# Altium PCB radioboard.PcbDoc (part 7 of 9)
Units mm, origin at the board's own origin, x right, y up, seen from the top; angles counter-clockwise.
Board outline 69.97 x 64.48 mm, 4 copper layers (Top Layer, Signal Layer 1, Signal Layer 2, Bottom Layer), stack 1.56 mm thick; 258 components, 165 nets, 993 pads, 10021 vias.
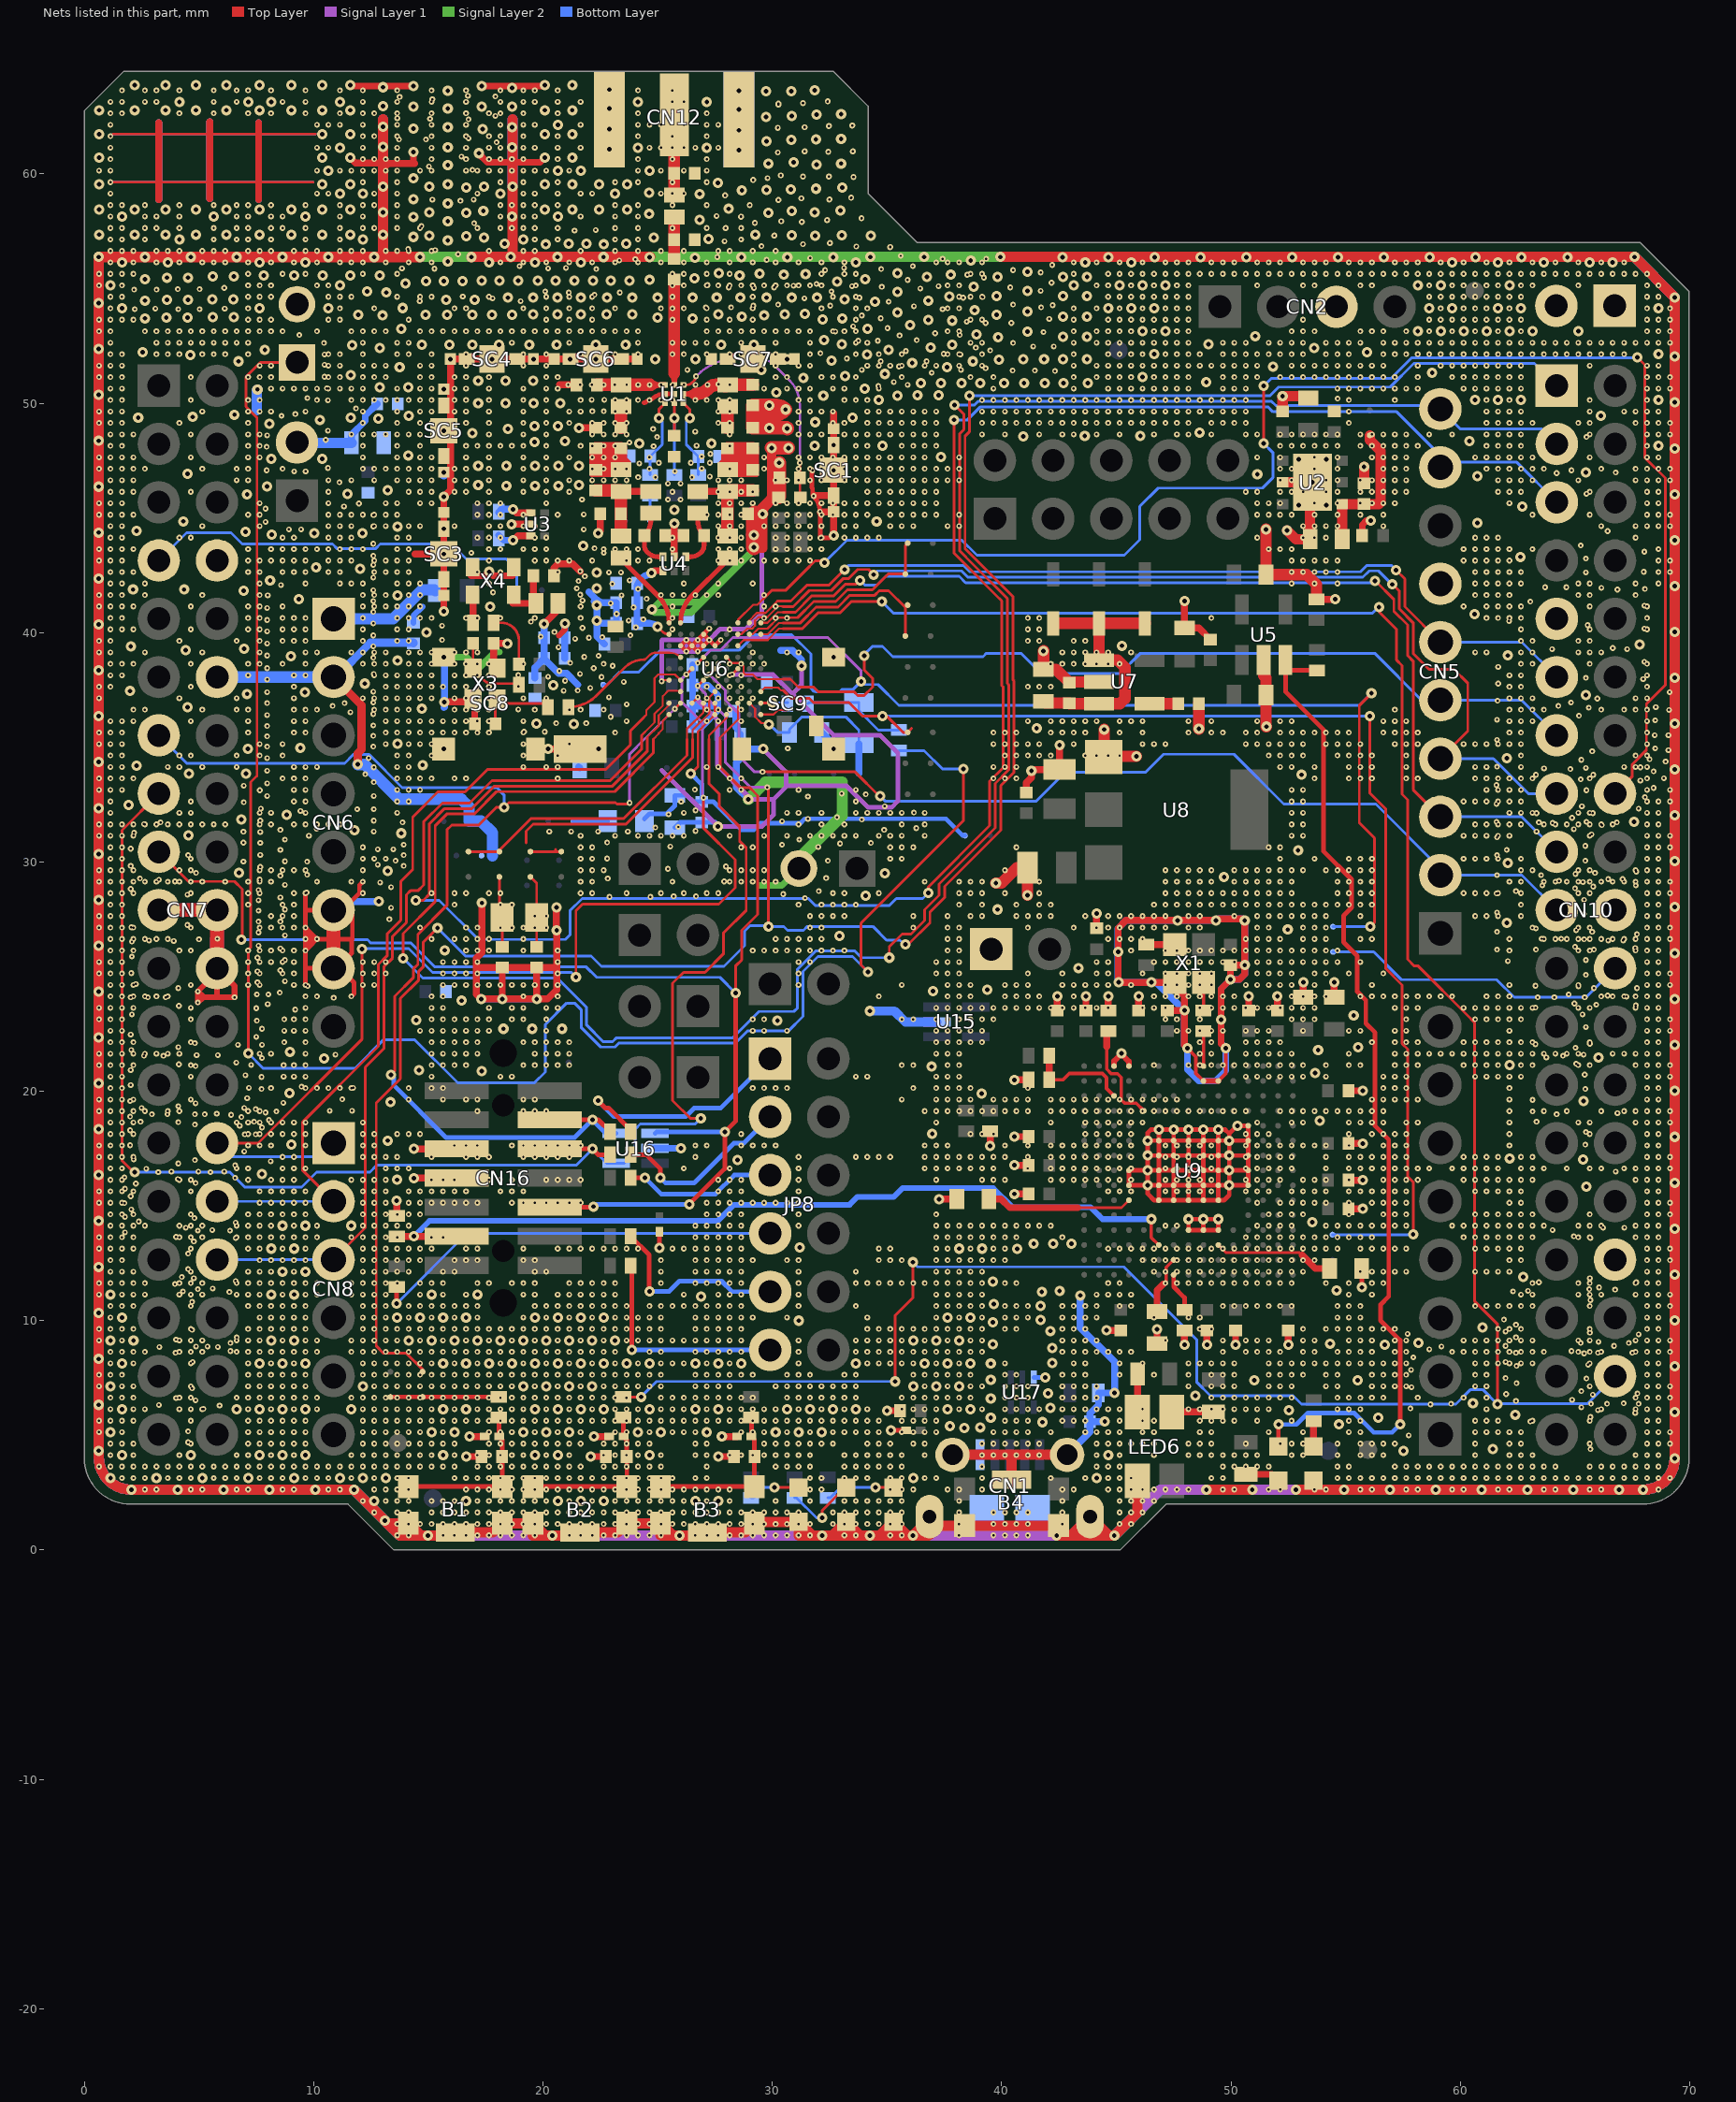
[diagram p9: the nets of this part, all layers, seen from the top]

## Via types
v1: diameter 0.25, hole 0.1, Signal Layer 2 to Bottom Layer, tented bottom, 4578 vias
v2: diameter 0.25, hole 0.1, Top Layer to Signal Layer 1, tented top, 4140 vias
v3: diameter 0.45, hole 0.2, Top Layer to Bottom Layer, tented both sides, 1295 vias
v4: diameter 0.25, hole 0.1, Top Layer to Signal Layer 1, tented both sides, 8 vias

## Nets (pads, with @x,y where several pads share a name; then routed paths per layer and width w, separated by ;. In a path a pad name is that pad's centre, name@x,y a point inside that pad or via, vN(x,y) a via of type N, cw(c..) or ccw(c..) an arc to the next point about the centre after c; other vN are vias at no path point) (continued)
GND: (continued)
  other v2: 47.643,54.138 48.143,54.138 59.143,54.138 62.143,54.138 68.143,54.138 69.143,54.138 27.1,54.175 28.2,54.175 41.725,54.175 36.175,54.225 29.175,54.25 32.525,54.25 42.225,54.275 30.25,54.3 40.5,54.3 35.075,54.425 14.625,54.45 19.025,54.45 17.8,54.575 31.4,54.575 33.8,54.6 38.325,54.6 39.175,54.625 1.143,54.638 1.643,54.638 7.143,54.638 7.643,54.638 10.643,54.638 11.143,54.638 11.643,54.638 16.5,54.65 44.643,54.638 45.143,54.638 45.643,54.638 46.143,54.638 46.643,54.638 47.143,54.638 47.643,54.638 48.143,54.638 58.643,54.638 59.143,54.638 62.143,54.638 62.643,54.638 68.143,54.638 68.643,54.638 22.25,54.725 21.125,54.825 23.35,54.825 20.1,54.875 32.575,54.875 41.7,54.9 2.175,54.95 3.15,54.95 4.075,54.975 5.025,54.975 36.45,55 6.1,55.025 29.2,55.025 28.1,55.05 30.075,55.05 40.375,55.05 34.775,55.075 33.475,55.1 37.25,55.1 0.643,55.138 1.643,55.138 7.643,55.138 8.143,55.138 10.643,55.138 30.925,55.125 44.143,55.138 44.643,55.138 45.643,55.138 46.643,55.138 47.643,55.138 48.143,55.138 51.143,55.138 53.143,55.138 55.643,55.138 56.143,55.138 58.643,55.138 62.643,55.138 63.143,55.138 68.143,55.138 68.643,55.138 27.175,55.15 31.925,55.2 42.175,55.25 35.9,55.375 39.225,55.475 38.5,55.6 0.643,55.638 1.143,55.638 1.643,55.638 2.143,55.638 8.643,55.638 9.643,55.638 12.143,55.638 43.143,55.638 44.643,55.638 45.143,55.638 45.643,55.638 46.143,55.638 46.643,55.638 47.143,55.638 47.643,55.638 48.143,55.638 48.643,55.638 49.143,55.638 49.643,55.638 50.143,55.638 50.643,55.638 51.143,55.638 51.643,55.638 52.143,55.638 52.643,55.638 53.143,55.638 53.643,55.638 54.143,55.638 54.643,55.638 55.143,55.638 55.643,55.638 56.143,55.638 56.643,55.638 57.143,55.638 57.643,55.638 58.143,55.638 58.643,55.638 59.143,55.638 59.643,55.638 61.643,55.638 62.143,55.638 62.643,55.638 63.143,55.638 63.643,55.638 64.143,55.638 64.643,55.638 65.143,55.638 65.643,55.638 66.143,55.638 66.643,55.638 67.143,55.638 67.643,55.638 68.143,55.638 41.7,55.7 32.3,55.8 40.5,55.8 22.325,55.85 34.75,55.85 13.85,55.875 15.269,55.864 20.225,55.875 21,55.9 33.125,55.9 18.975,55.975 36.125,55.975 42.2,56.025 1.143,56.138 2.143,56.138 3.143,56.138 4.143,56.138 5.143,56.138 5.643,56.138 6.143,56.138 7.143,56.138 8.143,56.138 9.143,56.138 10.143,56.138 11.143,56.138 11.643,56.138 12.143,56.138 13.143,56.138 43.143,56.138 44.143,56.138 45.143,56.138 46.143,56.138 47.143,56.138 47.643,56.138 48.143,56.138 49.143,56.138 49.643,56.138 50.143,56.138 51.143,56.138 51.643,56.138 52.143,56.138 53.143,56.138 53.643,56.138 54.143,56.138 55.143,56.138 55.643,56.138 56.143,56.138 57.143,56.138 57.643,56.138 58.143,56.138 59.143,56.138 60.143,56.138 61.143,56.138 62.143,56.138 63.143,56.138 64.143,56.138 65.143,56.138 66.143,56.138 67.143,56.138 23.325,56.225 29.75,56.25 24.025,56.275 37.425,56.3 39.325,56.3 31.65,56.325 27.6,56.375 35.6,56.425 16.3,56.497 1.143,56.638 1.643,56.638 2.143,56.638 3.143,56.638 3.643,56.638 4.143,56.638 5.143,56.638 5.643,56.638 6.143,56.638 7.143,56.638 7.643,56.638 8.143,56.638 9.143,56.638 9.643,56.638 10.143,56.638 11.143,56.638 11.643,56.638 12.143,56.638 13.143,56.638 13.643,56.638 15.3,56.675 14.125,56.725 35.136,56.801 33.661,56.826 29.525,56.85 31.336,56.926 32.511,56.976 27.918,57.063 1.143,57.138 1.643,57.138 2.643,57.138 5.643,57.138 6.643,57.138 7.143,57.138 8.143,57.138 9.643,57.138 11.143,57.138 19.643,57.138 20.643,57.138 23.143,57.138 24.143,57.138 28.643,57.138 30.086,57.301 21.375,57.525 22.3,57.55 27.961,57.626 1.143,57.638 1.643,57.638 2.643,57.638 3.143,57.638 4.143,57.638 5.643,57.638 6.643,57.638 7.143,57.638 8.143,57.638 8.643,57.638 9.643,57.638 11.143,57.638 12.143,57.638 12.643,57.638 13.643,57.638 18.143,57.638 18.643,57.638 19.143,57.638 19.643,57.638 20.643,57.638 23.143,57.638 24.143,57.638 28.643,57.638 14.7,57.725 17,57.85 29.236,57.851 31.286,57.901 30.386,57.926 32.386,57.976 33.886,58.051 1.143,58.138 2.643,58.138 3.143,58.138 4.143,58.138 6.643,58.138 7.143,58.138 8.143,58.138 8.643,58.138 11.143,58.138 12.143,58.138 13.643,58.138 18.143,58.138 19.143,58.138 19.643,58.138 21.643,58.138 23.143,58.138 24.143,58.138 28.636,58.126 27.568,58.163 1.143,58.638 1.643,58.638 2.643,58.638 4.143,58.638 5.643,58.638 6.643,58.638 7.143,58.638 8.143,58.638 9.643,58.638 11.143,58.638 12.143,58.638 12.643,58.638 13.643,58.638 18.143,58.638 18.643,58.638 19.143,58.638 19.643,58.638 20.643,58.638 23.143,58.638 24.143,58.638 27.136,58.626 29.011,58.626 16.4,58.825 30.261,58.851 15.175,58.875 16.975,58.875 32.486,58.876 31.261,58.926 33.436,58.951 27.936,59.051 1.143,59.138 10.143,59.138 10.643,59.138 12.643,59.138 13.643,59.138 19.143,59.138 19.643,59.138 20.643,59.138 21.643,59.138 22.143,59.138 1.143,59.638 12.143,59.638 13.643,59.638 18.143,59.638 19.143,59.638 20.643,59.638 23.143,59.638 24.143,59.638 29.161,59.726 29.793,59.813 33.536,59.851 31.336,59.876 32.461,59.876 30.361,59.926 0.643,60.138 1.143,60.138 10.143,60.138 11.143,60.138 11.643,60.138 12.143,60.138 12.643,60.138 13.143,60.138 13.643,60.138 17.643,60.138 18.143,60.138 18.643,60.138 19.143,60.138 19.643,60.138 20.143,60.138 21.143,60.138 24.143,60.138 27.143,60.138 16.925,60.175 15.025,60.325 1.143,60.638 12.143,60.638 12.643,60.638 13.143,60.638 13.643,60.638 17.643,60.638 18.143,60.638 18.643,60.638 19.143,60.638 20.643,60.638 24.143,60.638 27.143,60.638 16.45,60.75 30.236,60.926 32.436,60.951 31.411,60.976 33.511,60.976 1.143,61.138 10.143,61.138 10.643,61.138 12.143,61.138 19.143,61.138 19.643,61.138 20.643,61.138 21.643,61.138 24.643,61.138 26.643,61.138 17.975,61.375 13.725,61.5 14.9,61.5 16.75,61.55 1.143,61.638 12.143,61.638 12.643,61.638 19.143,61.638 20.643,61.638 24.143,61.638 27.143,61.638 30.236,62.001 31.411,62.026 32.461,62.076 33.486,62.101 1.143,62.138 10.143,62.138 10.643,62.138 11.143,62.138 12.143,62.138 19.143,62.138 19.643,62.138 21.643,62.138 24.143,62.138 24.643,62.138 27.143,62.138 16.75,62.375 15.075,62.4 13.65,62.425 17.925,62.525 1.143,62.638 1.643,62.638 4.143,62.638 5.643,62.638 7.143,62.638 8.143,62.638 9.643,62.638 11.143,62.638 12.143,62.638 12.643,62.638 19.143,62.638 20.643,62.638 24.143,62.638 27.143,62.638 30.268,63.013 31.336,63.076 1.643,63.138 2.643,63.138 3.143,63.138 5.643,63.138 6.643,63.138 8.643,63.138 9.643,63.138 12.143,63.138 19.143,63.138 19.643,63.138 20.643,63.138 21.643,63.138 32.411,63.151 15.175,63.25 13.75,63.35 16.725,63.4 17.925,63.375 2.643,63.638 3.143,63.638 4.143,63.638 5.643,63.638 6.643,63.638 7.143,63.638 8.143,63.638 9.643,63.638 11.143,63.638 12.143,63.638 19.143,63.638 19.643,63.638 20.643,63.638 24.143,63.638
  other v3: 12.645,2.14 16.645,2.14 20.645,2.14 21.645,2.14 22.645,2.14 26.645,2.14 27.645,2.14 4.077,2.623 6.077,2.623 8.077,2.623 10.077,2.623 54.926,2.623 56.926,2.623 58.926,2.623 60.926,2.623 62.926,2.623 64.926,2.623 66.926,2.623 1.145,3.14 3.145,3.14 5.145,3.14 7.145,3.14 9.145,3.14 11.145,3.14 12.145,3.14 13.145,3.14 36.145,3.14 44.145,3.14 1.645,4.14 4.645,4.14 7.645,4.14 8.645,4.14 9.645,4.14 15.645,4.14 19.645,4.14 20.645,4.14 24.645,4.14 44.645,4.14 0.619,4.33 57.525,4.325 61.425,4.4 1.145,5.14 15.145,5.14 16.145,5.14 19.145,5.14 20.145,5.14 21.145,5.14 24.145,5.14 25.145,5.14 27.145,5.14 30.145,5.14 31.145,5.14 32.145,5.14 38.375,5.325 39.075,5.35 37.75,5.4 54.7,5.475 41.775,5.575 39.525,5.775 56.425,5.775 62.4,5.9 69.349,6.015 52.525,6.1 1.645,6.14 6.645,6.14 7.645,6.14 8.645,6.14 9.645,6.14 11.645,6.14 15.645,6.14 16.645,6.14 19.645,6.14 20.645,6.14 21.645,6.14 22.645,6.14 24.645,6.14 26.645,6.14 27.645,6.14 30.645,6.14 31.645,6.14 32.645,6.14 33.645,6.14 37.645,6.14 38.645,6.14 42.125,6.2 0.619,6.33 60.55,6.4 39.525,6.6 48.45,6.725 42.025,6.825 1.145,7.14 12.145,7.14 19.145,7.14 20.145,7.14 21.145,7.14 22.145,7.14 36.145,7.14 37.145,7.14 38.145,7.14 51.025,7.4 55.525,7.4 39.525,7.425 69.349,8.015 39.525,8.125 1.645,8.14 7.645,8.14 8.645,8.14 9.645,8.14 15.645,8.14 16.645,8.14 17.645,8.14 18.645,8.14 19.645,8.14 20.645,8.14 21.645,8.14 22.645,8.14 23.645,8.14 24.645,8.14 26.645,8.14 27.645,8.14 28.645,8.14 33.645,8.14 36.645,8.14 37.645,8.14 38.645,8.14 42.2,8.15 0.619,8.33 42.2,8.8 56.7,8.95 39.625,8.975 54.325,9 58.175,9.025 1.145,9.14 2.145,9.14 8.145,9.14 9.145,9.14 14.145,9.14 15.145,9.14 16.145,9.14 17.145,9.14 18.145,9.14 19.145,9.14 20.145,9.14 21.145,9.14 22.145,9.14 23.145,9.14 36.145,9.14 37.145,9.14 38.145,9.14 42.125,9.55 60.975,9.7 39.625,9.925 31.15,10 41.7,10.025 69.349,10.015 1.645,10.14 13.645,10.14 14.645,10.14 15.645,10.14 16.645,10.14 19.645,10.14 20.645,10.14 21.645,10.14 22.645,10.14 37.645,10.14 38.645,10.14 0.619,10.33 41.7,10.65 39.65,10.725 26.9,11.05 1.145,11.14 8.145,11.14 9.145,11.14 15.145,11.14 17.145,11.14 41.75,11.25 42.525,11.3 54.6,11.325 39.625,11.7 62.75,11.9 69.349,12.015 8.645,12.14 9.645,12.14 0.621,12.345 40.675,13.125 8.145,13.14 9.145,13.14 38.145,13.14 39.145,13.14 31.187,13.2 41.4,13.35 42.25,13.35 43.05,13.35 69.349,14.015 8.645,14.14 9.645,14.14 11.645,14.14 53.55,14.3 0.621,14.345 65.5,15.85 69.349,16.015 13.645,16.14 0.621,16.345 7.75,16.4 28.475,17.013 65.35,17.025 62.15,17.075 9.025,17.675 13.225,17.85 69.349,18.015 36.975,18.15 0.621,18.345 53.875,18.725 13.35,19.525 65.375,19.575 39.125,19.9 8.95,19.925 69.349,20.015 0.621,20.345 53.675,20.8 17.325,20.875 14.6,20.925 36.95,21.075 62.15,21.15 10.45,21.425 66.025,21.475 8.975,21.725 53.8,21.8 55.55,21.925 69.349,22.015 0.621,22.345 18.277,22.725 19.527,22.725 20.827,22.725 30.225,23.075 14.475,23.1 55.35,23.3 16.45,23.95 69.349,24.015 0.621,24.345 37,24.375 39.375,24.425 43.35,25.375 69.349,26.015 15.725,26.15 0.621,26.345 32.925,26.775 52.475,27.05 62.025,27.35 39.825,27.925 69.351,28.03 0.621,28.345 34.075,28.525 49.7,29.35 34.9,29.5 6.75,29.525 13.225,29.6 62.075,29.95 69.351,30.03 0.621,30.345 52.925,30.5 4.55,31.15 13.825,31.25 11.775,31.375 67.575,31.75 6.85,31.85 69.351,32.03 8.825,32.05 0.621,32.345 1.925,32.475 53.075,33.8 4.557,33.85 7.05,33.85 69.351,34.03 2.275,34.2 14.75,34.225 0.623,34.36 62.025,34.525 7.125,34.925 15.675,34.925 9.425,34.975 13.65,35.15 41.525,35.825 21.338,36.013 19.713,36.037 69.351,36.03 0.623,36.36 14.725,36.675 4.5,36.75 65.475,37.275 7.1,37.325 9.625,37.4 2,37.45 20.45,37.7 12.225,37.775 69.351,38.03 0.623,38.36 13.65,38.775 32.675,38.925 9,38.975 62.075,39 4.425,39.225 6.975,39.3 2.025,39.4 45.25,39.425 67.825,39.475 14.925,40 69.351,40.03 0.623,40.36 60.625,40.8 17.7,41.125 22.35,41.2 9.35,41.45 13.65,41.625 6.95,41.825 2.125,41.875 4.35,41.875 22.35,41.925 69.351,42.03 8.1,42.275 0.623,42.36 22.35,42.625 12.025,42.775 10.1,42.85 62.625,43.3 21.75,43.775 69.351,44.03 8.175,44.275 10.025,44.325 12.125,44.325 0.623,44.36 7.025,44.4 2.275,44.425 13.65,44.625 25.725,44.75 60.75,44.775 4.325,44.85 34.55,44.85 25.725,45.35 62.7,45.5 52.95,45.55 54.15,45.55 7.1,46.025 11.475,46.05 69.351,46.03 13.225,46.2 0.623,46.36 7.975,46.375 18.4,46.4 19.65,46.4 20.675,46.4 17.175,46.425 21.575,46.425 60.75,46.825 51.15,46.9 4.5,46.925 65.475,46.975 17.175,47.275 18.4,47.275 19.65,47.275 20.675,47.275 21.575,47.275 52.95,47.55 54.15,47.55 8.15,47.575 10.375,47.575 37.35,47.65 14.125,47.725 69.351,48.03 31.85,48.15 34.8,48.15 68.646,48.14 24.2,48.25 27.35,48.25 19.625,48.3 0.623,48.36 20.95,48.35 60.4,48.35 40.95,48.55 43.625,48.575 46.05,48.575 16.925,48.7 48.625,48.725 15.675,48.8 18.475,48.875 19.625,49 20.65,49 8.075,49.1 31.875,49.175 10.275,49.275 12.825,49.325 2.35,49.375 11.625,49.375 33.5,49.375 4.725,49.4 14.15,49.45 66.125,49.45 6.55,49.5 17.175,50 18.375,50 19.6,50 20.75,50 69.353,50.045 34.645,50.14 60.646,50.14 61.646,50.14 62.646,50.14 68.646,50.14 32.225,50.325 35.45,50.325 0.623,50.36 36.325,50.35 37.25,50.35 30.175,50.475 15.675,50.61 34.025,50.625 12.875,50.7 14.125,50.7 36.475,50.875 37.35,50.875 38.25,50.875 39.075,50.875 40.1,50.875 40.975,50.875 41.875,50.875 42.7,50.875 43.75,50.875 48.925,50.925 17.175,50.975 18.375,50.975 19.575,50.975 31.35,51.1 46.145,51.14 33.175,51.175 11.625,51.225 34.9,51.275 58.775,51.325 29.525,51.45 13.75,51.575 37.625,51.575 51.825,51.6 36.1,51.75 6.725,51.825 38.75,51.825 32.575,51.85 39.875,51.9 17.775,51.925 19.585,51.925 22.3,51.925 24.9,51.925 26.65,51.925 30.65,51.925 40.95,51.925 41.85,51.925 42.675,51.925 43.725,51.925 69.353,52.045 4.625,52.1 34.125,52.125 46.645,52.14 68.646,52.14 2.55,52.225 55.925,52.225 7.875,52.325 35.075,52.325 0.623,52.36 12.875,52.4 53.625,52.4 36.9,52.425 11.675,52.525 14.725,52.55 15.925,52.55 16.925,52.55 18.075,52.55 19.4,52.55 20.6,52.55 22.3,52.55 23.6,52.55 27.775,52.55 29.2,52.55 37.85,52.55 33.025,52.575 49.025,52.575 32.25,52.75 39.85,52.875 42.675,52.9 43.725,52.9 51.05,52.925 38.9,53 41.125,53.125 46.145,53.14 47.145,53.14 58.146,53.14 59.146,53.14 60.146,53.14 61.146,53.14 62.146,53.14 63.146,53.14 65.146,53.14 13.825,53.25 34.15,53.25 36,53.4 37.85,53.6 36.8,53.625 32.2,53.65 2.65,53.7 26.525,53.7 33.05,53.7 3.575,53.725 4.5,53.725 25,53.725 5.6,53.75 6.525,53.75 28.675,53.775 42.675,53.775 43.725,53.775 13,53.825 29.65,53.825 11.95,53.85 14.875,53.85 15.825,53.85 16.925,53.85 17.775,53.85 18.65,53.85 19.575,53.875 20.625,53.875 21.65,53.875 22.775,53.875 23.9,53.875 27.65,53.875 30.55,53.875 39.775,53.85 31.425,53.9 35.45,53.95 41.125,54 38.825,54.05 1.645,54.14 7.645,54.14 10.645,54.14 13.875,54.15 44.645,54.14 45.645,54.14 46.645,54.14 58.646,54.14 59.646,54.14 61.646,54.14 62.646,54.14 68.646,54.14 0.623,54.36 34.475,54.425 2.65,54.475 36.8,54.475 3.6,54.5 4.525,54.5 15.775,54.5 17.025,54.5 5.575,54.525 6.5,54.525 33.15,54.525 18.475,54.6 19.575,54.6 20.625,54.6 21.65,54.6 22.8,54.6 23.9,54.6 25,54.6 26.525,54.6 27.575,54.6 28.6,54.6 29.75,54.6 30.85,54.6 31.95,54.6 37.725,54.65 39.775,54.675 42.675,54.675 43.725,54.675 13.175,54.825 35.45,54.85 12.325,54.875 41.125,54.9 38.775,55.075 1.145,55.14 11.145,55.14 43.145,55.14 45.145,55.14 46.145,55.14 47.145,55.14 58.146,55.14 59.146,55.14 62.146,55.14 14,55.225 32.825,55.3 14.9,55.325 15.675,55.325 16.5,55.325 17.325,55.35 18.1,55.35 18.925,55.35 19.775,55.35 20.55,55.35 21.375,55.35 22.175,55.35 22.95,55.35 23.775,55.35 24.65,55.375 2.65,55.4 34.05,55.4 3.6,55.475 4.525,55.475 26.6,55.45 36.75,55.5 39.825,55.5 42.675,55.5 43.725,55.5 5.6,55.525 6.525,55.525 7.825,55.575 9.15,55.575 10.4,55.575 11.6,55.575 12.875,55.575 28.575,55.575 30.5,55.6 37.775,55.6 31.45,55.625 29.45,55.65 27.675,55.675 35.45,55.675 41.125,55.725 1.645,56.14 3.645,56.14 7.645,56.14 9.645,56.14 17.645,56.14 19.645,56.14 21.645,56.14 33.645,56.14 43.645,56.14 45.645,56.14 59.646,56.14 61.646,56.14 63.646,56.14 65.646,56.14 66.646,56.14 15.85,56.175 38.65,56.225 26.625,56.35 18.598,56.377 20.64,56.373 22.64,56.373 24.655,56.371 28.655,56.371 30.655,56.371 32.655,56.371 34.275,56.375 36.625,56.375 42.655,56.371 44.655,56.371 46.67,56.369 48.67,56.369 50.67,56.369 52.67,56.369 54.67,56.369 56.67,56.369 58.67,56.369 60.67,56.369 62.67,56.369 64.67,56.369 20.125,56.925 22.65,56.925 18.325,56.95 21.125,56.95 21.9,56.95 23.625,56.95 15.85,57.1 4.145,57.14 12.145,57.14 19.145,57.14 27.225,57.15 17.425,57.225 24.825,57.225 14.35,57.25 16.65,57.275 15.05,57.3 31.875,57.3 34.3,57.3 30.85,57.325 33.025,57.325 0.65,57.35 2.2,57.35 3.55,57.35 4.875,57.35 6.2,57.35 7.65,57.35 9.025,57.35 10.375,57.35 11.6,57.35 13.025,57.35 29.25,57.35 15.85,57.925 26.825,58 1.645,58.14 5.645,58.14 9.645,58.14 14.35,58.125 18.645,58.14 20.645,58.14 24.625,58.25 16.65,58.3 29.825,58.3 13.025,58.325 15.05,58.325 31.85,58.325 17.4,58.375 30.85,58.375 32.975,58.4 0.65,58.45 2.2,58.45 3.55,58.45 4.875,58.45 6.2,58.45 7.65,58.45 9.025,58.45 10.375,58.45 11.6,58.45 20.075,58.45 21.275,58.45 22.45,58.45 23.675,58.45 28.1,58.475 15.85,58.7 14.35,58.9 26.825,59.125 11.145,59.14 12.145,59.14 18.145,59.14 23.145,59.14 24.625,59.175 28.675,59.275 29.75,59.3 30.8,59.325 31.9,59.35 16.65,59.4 33.05,59.4 15.05,59.45 17.425,59.45 0.65,59.55 10.375,59.55 11.6,59.55 15.85,59.55 20.075,59.55 21.275,59.55 22.45,59.55 23.675,59.55 27.625,59.6 14.35,59.8 10.645,60.14 20.645,60.14 21.645,60.14 24.645,60.14 15.85,60.375 31.925,60.4 29.825,60.45 33,60.45 30.925,60.5 0.65,60.7 10.375,60.7 21.275,60.7 28.55,61.025 22.9,61.075 11.145,61.14 15.85,61.15 18.65,61.15 24.145,61.14 27.145,61.14 13.025,61.175 29.75,61.425 30.825,61.475 31.9,61.5 33,61.525 0.65,61.725 10.375,61.725 11.6,61.725 20.075,61.725 21.275,61.725 28.55,61.9 17.375,61.95 22.9,61.95 14.35,61.975 15.85,62.025 18.65,62.025 13.025,62.05 20.645,62.14 29.725,62.475 30.85,62.525 31.925,62.575 33,62.6 0.65,62.775 2.2,62.775 3.55,62.775 4.875,62.775 6.2,62.775 7.65,62.775 9.025,62.775 10.375,62.775 11.6,62.775 20.075,62.775 21.275,62.775 28.55,62.8 15.85,62.85 22.9,62.85 14.35,62.925 17.325,62.925 18.65,62.925 13.025,62.95 4.145,63.14 7.145,63.14 8.145,63.14 11.145,63.14 24.145,63.14 27.145,63.14 29.725,63.6 30.825,63.6 15.85,63.625 28.55,63.625 31.85,63.65 22.9,63.675 18.65,63.75 13.025,63.775 2.2,63.875 3.55,63.875 4.875,63.875 6.2,63.875 7.65,63.875 9.025,63.875 10.375,63.875 21.275,63.875
GNDDetect: CN16.11 R14.2 U9.K13 | length 38.2
  Top Layer w0.15: v3(46.525,14.425) 46.525,13.625 U9.K13@46.85,13.3
  Top Layer w0.3: R14.2@13.6,13.675 14.369,13.675 v3(14.372,13.678) ; R14.2@13.625,13.675 13.628,13.678 v3(14.372,13.678) ; CN16.11@16.232,13.678 v3(14.372,13.678)
  Bottom Layer w0.25: v3(14.372,13.678) 15.044,14.35 27.625,14.35 28.33,15.055 33.37,15.055 33.715,15.4 35.3,15.4 35.68,15.78 39.63,15.78 40.46,14.95 43.875,14.95 44.4,14.425 v3(46.525,14.425)
IOREF: C96.2 CN6.2 CN7.12 SB25.2 SB29.2 | length 22.1
  Top Layer w0.35: CN6.2@10.867,38.061 12.087,36.841 12.087,34.9 11.925,34.738 v3(11.925,34.25)
  Bottom Layer w0.35: CN6.2@10.867,38.061 10.972,38.061 12.469,39.558 14.35,39.558 C96.2@14.35,39.525
  Bottom Layer w0.5: CN7.12@5.787,38.061 CN6.2@10.867,38.061 ; v3(11.925,34.25) 12.225,34.25 13.742,32.733 16.442,32.733 16.775,32.4 SB25.2@16.775,31.775 17.3,31.775 17.8,31.275 17.8,30.275
NetB1_2: B1.2 B1.4 C68.2 R21.1 U12.1 | length 7.2
  Top Layer w0.2: B1.2@14.127,2.768 B1.4@18.227,2.768 18.225,2.77 C68.2@18.225,4.075 18.225,4.812 U12.1@18.087,4.95 18.075,4.962 R21.1@18.075,5.775
NetB2_2: B2.2 B2.4 C69.2 R22.1 U13.1 | length 7.2
  Top Layer w0.2: B2.2@19.561,2.768 B2.4@23.661,2.768 23.661,4.064 C69.2@23.65,4.075 23.65,4.812 U13.1@23.512,4.95 23.512,5.763 R22.1@23.5,5.775
NetB3_2: B3.2 B3.4 C70.2 R23.1 U14.1 | length 7.2
  Top Layer w0.2: B3.2@25.124,2.768 B3.4@29.224,2.768 C70.2@29.224,4.074 ; R23.1@29.075,5.775 29.087,5.763 U14.1@29.087,4.95 29.225,4.812 C70.2@29.225,4.075 ; C70.2@29.224,4.074 C70.2@29.225,4.075
NetC2_1: C2.1 C6.2 L2.2 | length 1.8
  Top Layer w0.5: C2.1@25.725,56.3 C6.2@25.725,57.125 L2.2@25.725,58.125
NetC2_2: C2.2 U1.4 | length 4.9
  Top Layer w0.14: U1.4@25.67,50.855 U1.4@25.725,50.8
  Top Layer w0.25: 25.625,51.225 cw(c25.384,50.984) 25.725,50.984 ; U1.4@25.725,50.8 25.725,50.959 25.725,50.984 ; 25.825,51.225 ccw(c26.066,50.984) 25.725,50.984
  Top Layer w0.5: 25.725,51.3 C2.2@25.725,55.4
NetC5_2: C5.2 CN12.1 L2.1 | length 3.5
  Top Layer w0.5: L2.1@25.725,59.075 C5.2@25.725,60.025 CN12.1@25.725,62.575
NetC7_2: C7.2 L3.2 U1.5 | length 4.1
  Top Layer w0.12: 24.56,51.015 24.717,51.015 ; 24.593,50.585 24.75,50.585
  Top Layer w0.24: 24.656,50.8 25.12,50.8 ; 24.715,50.955 ccw(c25.09,51.33) 25.09,50.8 ; 24.745,50.645 cw(c25.12,50.27) 25.12,50.8 ; U1.5@25.325,50.8 25.12,50.8
  Top Layer w0.55: C7.2@22.35,50.8 L3.2@23.4,50.8 24.656,50.8
NetC8_2: C8.2 L4.2 U1.2 | length 3.9
  Top Layer w0.12: 26.485,50.273 26.515,50.243 26.608,50.243 26.622,50.257
  Top Layer w0.24: U1.2@26.125,50.4 26.274,50.4 ; 26.532,50.302 ccw(c26.296,50.065) 26.296,50.4 ; 26.558,50.518 cw(c26.274,50.801) 26.274,50.4 ; 26.595,50.407 26.587,50.4 26.296,50.4 ; 26.274,50.4 26.296,50.4
  Top Layer w0.55: 26.725,50.4 26.65,50.4 ccw(c26.65,51.185) 27.205,50.63 27.25,50.675 cw(c27.552,50.373) 27.552,50.8 L4.2@28.05,50.8 C8.2@29.15,50.8 ; L4.2@27.929,50.75 L4.2@27.975,50.75
NetC11_2: C11.2 C12.1 C15.2 L5.2 | length 9.7
  Top Layer w0.2: C15.2@22.125,46.875 22.25,46.875 C15.2@22.3,46.925 ; C15.2@22.3,46.875 C15.2@22.3,46.925 ; C15.2@22.3,47.1 C15.2@22.3,46.925 ; C15.2@22.35,46.875 C15.2@22.3,46.925 ; C15.2@22.425,46.875 22.65,47.1 22.85,47.1 ; C15.2@22.475,47.1 C15.2@22.3,46.925 ; C12.1@23.325,47.775 23.375,47.775 23.4,47.75 23.75,47.4 23.475,47.125 23.425,47.125 L5.2@23.4,47.1